# Altium PCB ADAPTONE_PCB_COPY.PcbDoc (part 6 of 11)
Units mil, origin at the board's own origin, x right, y up, seen from the top; angles counter-clockwise.
Board outline 10236.22 x 6701.71 mil, 4 copper layers (Top Layer, GND, Internal Plane 2, Bottom Layer), stack 30.2 mil thick; 1794 components, 935 nets, 4745 pads, 575 vias.
Unrouted connection lines stored in the file: 997.
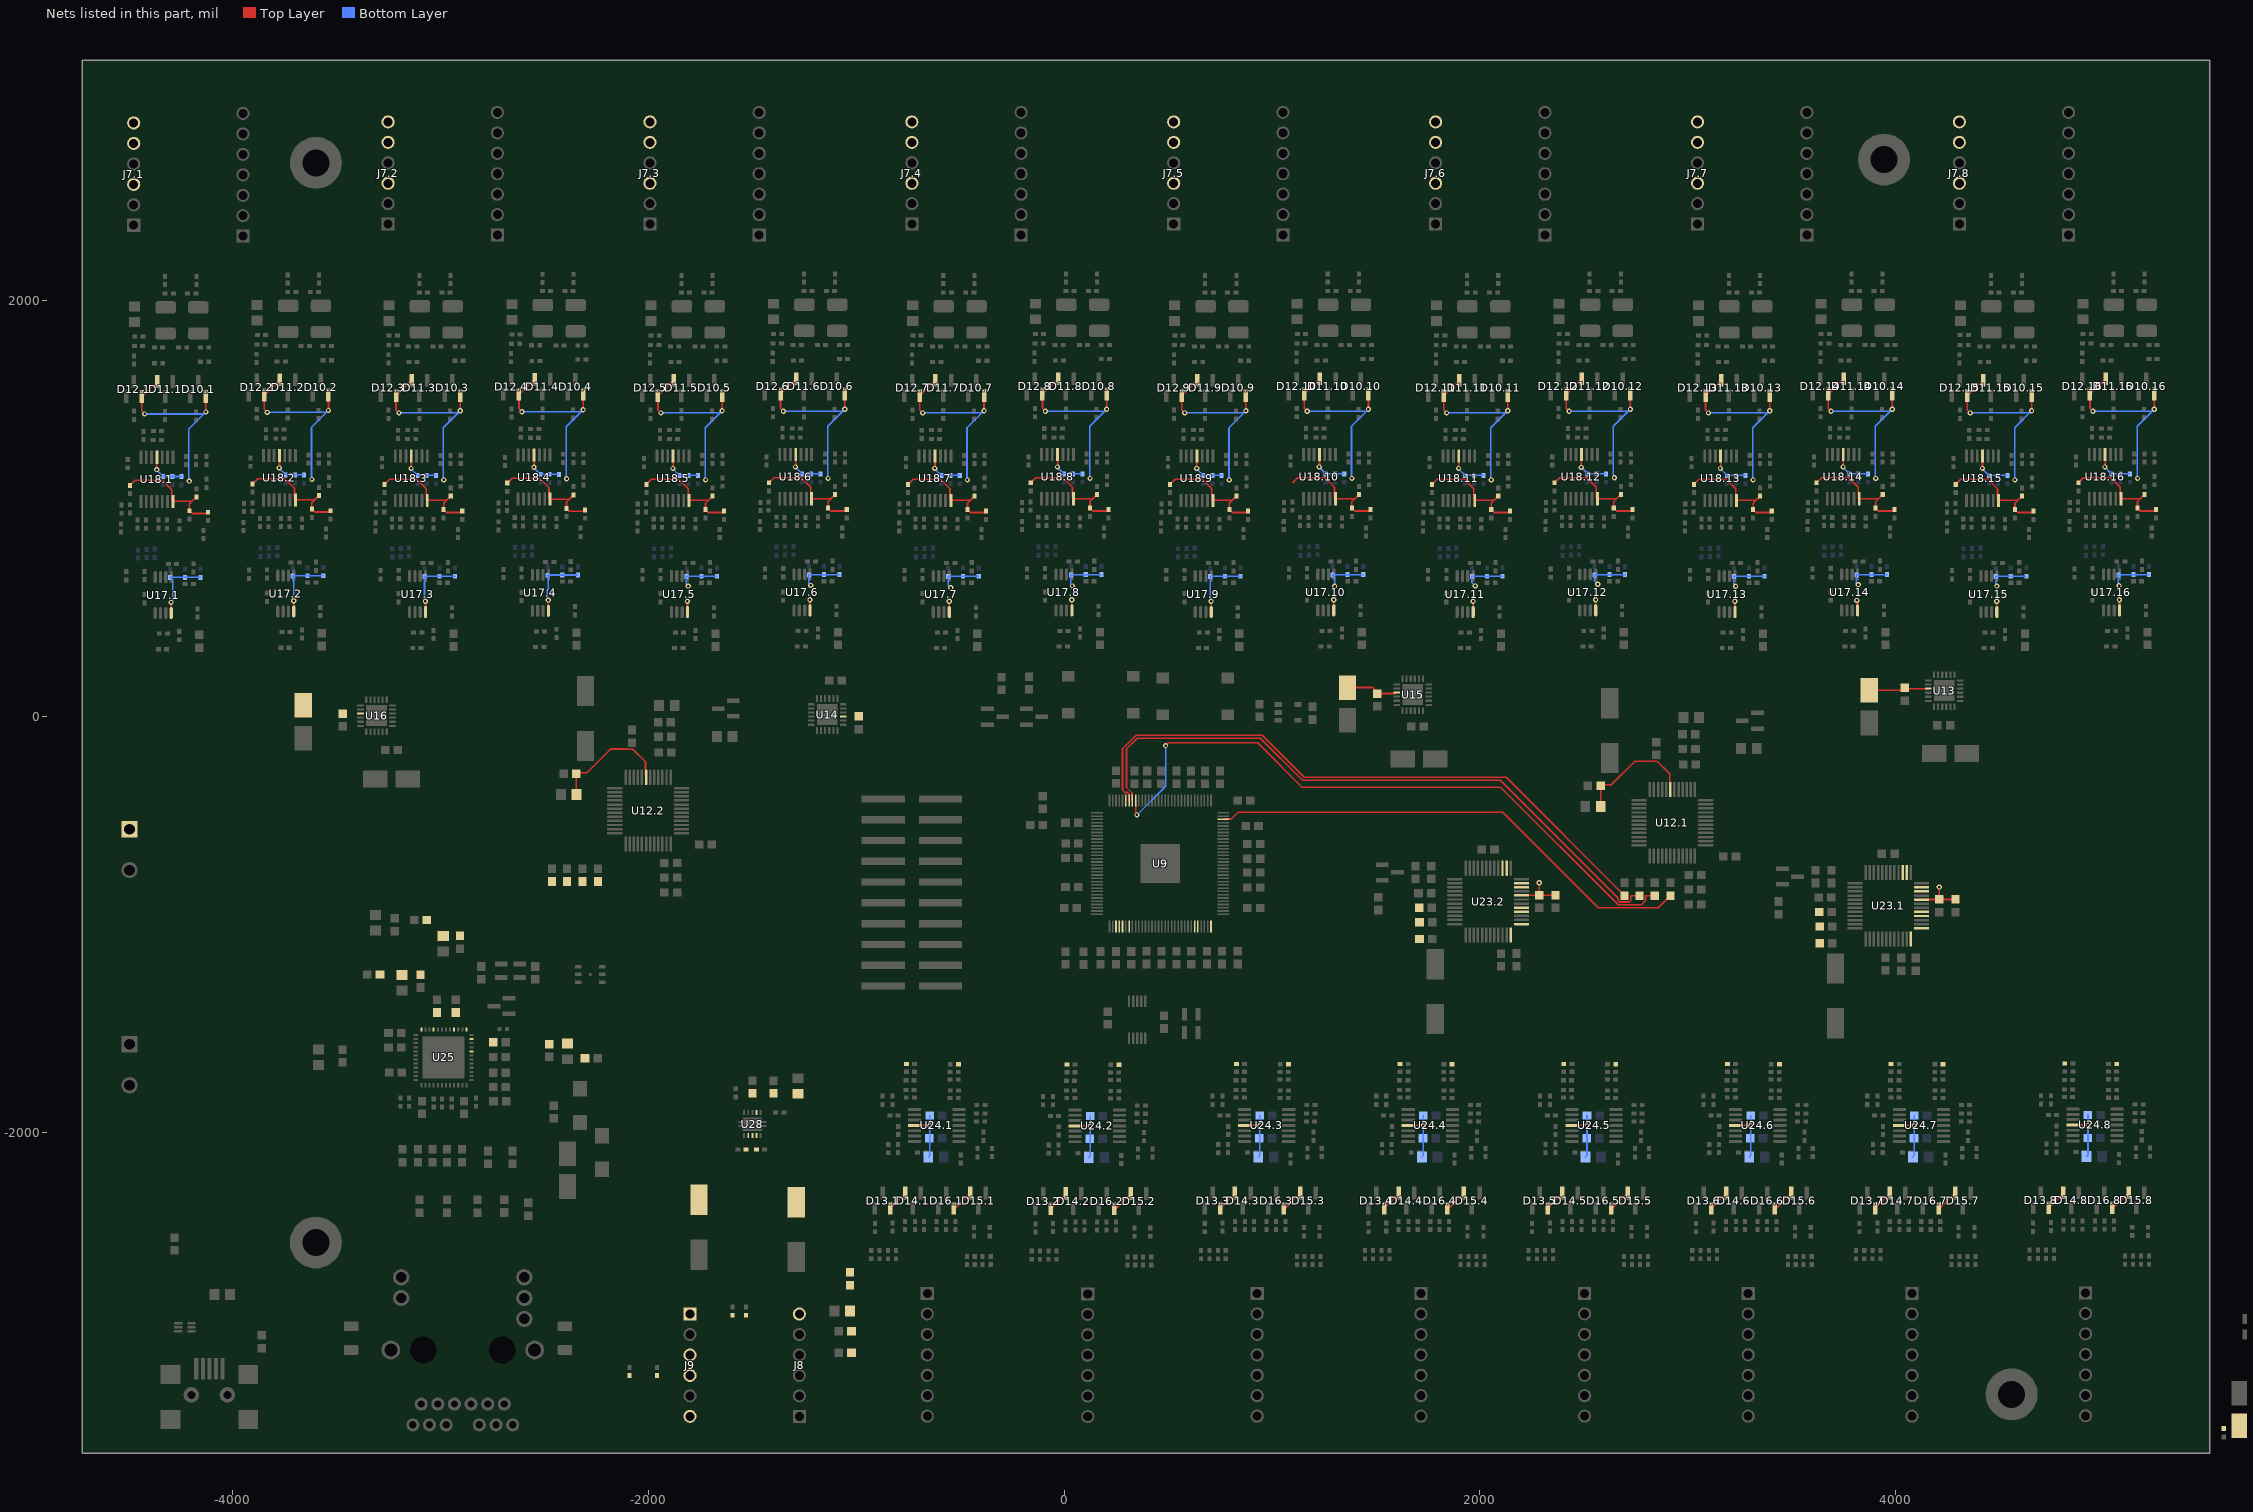
[diagram p8: the nets of this part, all layers, seen from the top]

## Via types
v1: diameter 25, hole 12, Top Layer to Bottom Layer, 566 vias
v2: diameter 19.68, hole 7.87, Top Layer to Bottom Layer, 9 vias

## Nets (pads, with @x,y where several pads share a name; then routed paths per layer and width w, separated by ;. In a path a pad name is that pad's centre, name@x,y a point inside that pad or via, vN(x,y) a via of type N, cw(c..) or ccw(c..) an arc to the next point about the centre after c; other vN are vias at no path point) (continued)
+5VA: C15.+ C17.1 C42.+ C44.+ C46.1 C48.1 C50.+ C52.+ C54.1 C56.1 C59.1.1 C59.2.1 C59.3.1 C59.4.1 C59.5.1 C59.6.1 C59.7.1 C59.8.1 C59.9.1 C59.10.1 C59.11.1 C59.12.1 C59.13.1 C59.14.1 C59.15.1 C59.16.1 C60.1.1 C60.2.1 C60.3.1 C60.4.1 C60.5.1 C60.6.1 C60.7.1 C60.8.1 C60.9.1 C60.10.1 C60.11.1 C60.12.1 C60.13.1 C60.14.1 C60.15.1 C60.16.1 C61.1.1 C61.2.1 C61.3.1 C61.4.1 C61.5.1 C61.6.1 C61.7.1 C61.8.1 C61.9.1 C61.10.1 C61.11.1 C61.12.1 C61.13.1 C61.14.1 C61.15.1 C61.16.1 C68.1.1 C68.2.1 C68.3.1 C68.4.1 C68.5.1 C68.6.1 C68.7.1 C68.8.1 C68.9.1 C68.10.1 C68.11.1 C68.12.1 C68.13.1 C68.14.1 C68.15.1 C68.16.1 C69.1.1 C69.2.1 C69.3.1 C69.4.1 C69.5.1 C69.6.1 C69.7.1 C69.8.1 C69.9.1 C69.10.1 C69.11.1 C69.12.1 C69.13.1 C69.14.1 C69.15.1 C69.16.1 C70.1.1 C70.2.1 C70.3.1 C70.4.1 C70.5.1 C70.6.1 C70.7.1 C70.8.1 C70.9.1 C70.10.1 C70.11.1 C70.12.1 C70.13.1 C70.14.1 C70.15.1 C70.16.1 C121.1.1 C121.2.1 C122.1.1 C122.2.1 C134.1.1 C134.2.1 C134.3.1 C134.4.1 C134.5.1 C134.6.1 C134.7.1 C134.8.1 C135.1.1 C135.2.1 C135.3.1 C135.4.1 C135.5.1 C135.6.1 C135.7.1 C135.8.1 C136.1.2 C136.2.2 C136.3.2 C136.4.2 C136.5.2 C136.6.2 C136.7.2 C136.8.2 C176.1 C177.1 C180.2 D4.K D10.1.2 D10.2.2 D10.3.2 D10.4.2 D10.5.2 D10.6.2 D10.7.2 D10.8.2 D10.9.2 D10.10.2 D10.11.2 D10.12.2 D10.13.2 D10.14.2 D10.15.2 D10.16.2 D11.1.2 D11.2.2 D11.3.2 D11.4.2 D11.5.2 D11.6.2 D11.7.2 D11.8.2 D11.9.2 D11.10.2 D11.11.2 D11.12.2 D11.13.2 D11.14.2 D11.15.2 D11.16.2 D12.1.2 D12.2.2 D12.3.2 D12.4.2 D12.5.2 D12.6.2 D12.7.2 D12.8.2 D12.9.2 D12.10.2 D12.11.2 D12.12.2 D12.13.2 D12.14.2 D12.15.2 D12.16.2 D13.1.2 D13.2.2 D13.3.2 D13.4.2 D13.5.2 D13.6.2 D13.7.2 D13.8.2 D14.1.2 D14.2.2 D14.3.2 D14.4.2 D14.5.2 D14.6.2 D14.7.2 D14.8.2 D15.1.2 D15.2.2 D15.3.2 D15.4.2 D15.5.2 D15.6.2 D15.7.2 D15.8.2 D16.1.2 D16.2.2 D16.3.2 D16.4.2 D16.5.2 D16.6.2 D16.7.2 D16.8.2 R6.2 TP13.1 TP13.2 U4.2 U13.15 U14.15 U15.15 U16.15 U17.1.8 U17.2.8 U17.3.8 U17.4.8 U17.5.8 U17.6.8 U17.7.8 U17.8.8 U17.9.8 U17.10.8 U17.11.8 U17.12.8 U17.13.8 U17.14.8 U17.15.8 U17.16.8 U18.1.4 U18.2.4 U18.3.4 U18.4.4 U18.5.4 U18.6.4 U18.7.4 U18.8.4 U18.9.4 U18.10.4 U18.11.4 U18.12.4 U18.13.4 U18.14.4 U18.15.4 U18.16.4 U23.1.32 U23.2.32 U24.1.4 U24.2.4 U24.3.4 U24.4.4 U24.5.4 U24.6.4 U24.7.4 U24.8.4 U28.2 U28.8 | length 27326.9
  Top Layer w8: v1(-4423.39,1456.03) -4437.44,1470.09 D12.1.2@-4437.44,1539.62 -4435.08,1539.62 D11.1.2@-4362.24,1612.45 ; v1@-4364.55,1189.72 U18.1.4@-4364.55,1247.96 ; U17.1.8@-4295.64,498.1 v1@-4295.64,549.33 ; v1(-4128.75,1465.84) D10.1.2@-4128.75,1539.62 ; v1(-3833.72,1463.51) -3847.77,1477.56 D12.2.2@-3847.77,1547.09 -3845.41,1547.09 D11.2.2@-3772.57,1619.93 ; v1@-3774.88,1197.2 U18.2.4@-3774.88,1255.43 ; U17.2.8@-3705.97,505.58 v1@-3705.97,556.81 ; v1(-3539.08,1473.31) D10.2.2@-3539.08,1547.09 ; v1(-3199.81,1461.17) -3213.86,1475.22 D12.3.2@-3213.86,1544.75 -3211.5,1544.75 D11.3.2@-3138.66,1617.59 ; v1@-3140.97,1194.86 U18.3.4@-3140.97,1253.09 ; U17.3.8@-3072.06,503.24 v1@-3072.06,554.47 ; v1(-2905.17,1470.98) D10.3.2@-2905.17,1544.75 ; v1(-2608.78,1466.76) -2622.83,1480.81 D12.4.2@-2622.83,1550.35 -2620.46,1550.35 D11.4.2@-2547.63,1623.18 ; v1@-2549.94,1200.45 U18.4.4@-2549.94,1258.68 ; U17.4.8@-2481.03,508.83 v1@-2481.03,560.06 ; v1(-2314.14,1476.57) D10.4.2@-2314.14,1550.35 ; v1(-1939.96,1461.17) -1954.02,1475.22 D12.5.2@-1954.02,1544.75 -1951.65,1544.75 D11.5.2@-1878.82,1617.59 ; v1@-1881.13,1194.86 U18.5.4@-1881.13,1253.09 ; U17.5.8@-1812.22,503.24 v1@-1812.22,554.47 ; v1(-1645.33,1470.98) D10.5.2@-1645.33,1544.75 ; v1(-1350.29,1468.65) -1364.34,1482.7 D12.6.2@-1364.34,1552.23 -1361.98,1552.23 D11.6.2@-1289.15,1625.07 ; v1@-1291.46,1202.33 U18.6.4@-1291.46,1260.57 ; U17.6.8@-1222.54,510.72 v1@-1222.54,561.95 ; v1(-1055.66,1478.45) D10.6.2@-1055.66,1552.23 ; D13.1.2@-835.99,-2364.88 -765.48,-2294.37 D14.1.2@-765.48,-2292.04 ; U24.1.4@-719.31,-1966.46 -649.1,-1966.46 v1(-647.1,-1968.46) ; v1(-680.12,1461.17) -694.17,1475.22 D12.7.2@-694.17,1544.75 -691.81,1544.75 D11.7.2@-618.98,1617.59 ; v1@-621.29,1194.86 U18.7.4@-621.29,1253.09 ; U17.7.8@-552.37,503.24 v1@-552.37,554.47 ; D16.1.2@-530.68,-2364.88 -524.09,-2364.88 D15.1.2@-451.25,-2292.04 ; v1(-385.49,1470.98) D10.7.2@-385.49,1544.75 ; v1(-90.45,1468.65) -104.5,1482.7 D12.8.2@-104.5,1552.23 -102.14,1552.23 D11.8.2@-29.3,1625.07 ; D13.2.2@-63.91,-2366.96 6.6,-2296.45 D14.2.2@6.6,-2294.13 ; v1@-31.62,1202.33 U18.8.4@-31.62,1260.57 ; U17.8.8@37.3,510.72 v1@37.3,561.95 ; U24.2.4@52.76,-1968.54 122.98,-1968.54 v1(124.98,-1970.54) ; v1(204.18,1478.45) D10.8.2@204.18,1552.23 ; D16.2.2@241.4,-2366.96 247.99,-2366.96 D15.2.2@320.83,-2294.13 ; v1(579.72,1461.17) 565.67,1475.22 D12.9.2@565.67,1544.75 568.03,1544.75 D11.9.2@640.87,1617.59 ; v1@638.56,1194.86 U18.9.4@638.56,1253.09 ; U17.9.8@707.47,503.24 v1@707.47,554.47 ; D13.3.2@751.26,-2364.88 821.77,-2294.37 D14.3.2@821.77,-2292.04 ; U24.3.4@867.94,-1966.46 938.16,-1966.46 v1(940.16,-1968.46) ; v1(874.35,1470.98) D10.9.2@874.35,1544.75 ; D16.3.2@1056.58,-2364.88 1063.17,-2364.88 D15.3.2@1136,-2292.04 ; v1(1169.39,1468.65) 1155.34,1482.7 D12.10.2@1155.34,1552.23 1157.7,1552.23 D11.10.2@1230.54,1625.07 ; v1@1228.23,1202.33 U18.10.4@1228.23,1260.57 ; U17.10.8@1297.14,510.72 v1@1297.14,561.95 ; C50.+@1363,139.74 1483.77,139.74 1517,106.51 1517,111.28 1595.46,111.28 U15.15@1600.03,115.84 ; v1(1464.03,1478.45) D10.10.2@1464.03,1552.23 ; D13.4.2@1538.66,-2364.88 1609.18,-2294.37 D14.4.2@1609.18,-2292.04 ; U24.4.4@1655.34,-1966.46 1725.56,-1966.46 v1(1727.56,-1968.46) ; v1(1839.56,1461.17) 1825.51,1475.22 D12.11.2@1825.51,1544.75 1827.87,1544.75 D11.11.2@1900.71,1617.59 ; D16.4.2@1843.98,-2364.88 1850.57,-2364.88 D15.4.2@1923.4,-2292.04 ; v1@1898.4,1194.86 U18.11.4@1898.4,1253.09 ; U17.11.8@1967.31,503.24 v1@1967.31,554.47 ; v1(2134.2,1470.98) D10.11.2@2134.2,1544.75 ; U23.2.32@2200.16,-860.01 2201.15,-859.02 C121.2.1@2285.2,-859.02 ; v1(2285.2,-799.54) C121.2.1@2285.2,-859.02 ; D13.5.2@2326.07,-2364.88 2396.58,-2294.37 D14.5.2@2396.58,-2292.04 ; C122.2.1@2362.93,-859.02 C121.2.1@2285.2,-859.02 ; v1(2429.24,1468.65) 2415.18,1482.7 D12.12.2@2415.18,1552.23 2417.55,1552.23 D11.12.2@2490.38,1625.07 ; U24.5.4@2442.74,-1966.46 2512.96,-1966.46 v1(2514.96,-1968.46) ; v1(2487.07,1199.02) 2487.07,1259.57 U18.12.4@2488.07,1260.57 ; U17.12.8@2556.98,510.72 v1@2556.98,561.95 ; D16.5.2@2631.38,-2364.88 2637.97,-2364.88 D15.5.2@2710.81,-2292.04 ; v1(2723.87,1478.45) D10.12.2@2723.87,1552.23 ; v1(3099.41,1461.17) 3085.35,1475.22 D12.13.2@3085.35,1544.75 3087.72,1544.75 D11.13.2@3160.55,1617.59 ; D13.6.2@3113.47,-2364.88 3183.98,-2294.37 D14.6.2@3183.98,-2292.04 ; v1@3158.24,1194.86 U18.13.4@3158.24,1253.09 ; U17.13.8@3227.15,503.24 v1@3227.15,554.47 ; U24.6.4@3230.14,-1966.46 3300.36,-1966.46 v1(3302.36,-1968.46) ; v1(3394.04,1470.98) D10.13.2@3394.04,1544.75 ; D16.6.2@3418.78,-2364.88 3425.37,-2364.88 D15.6.2@3498.21,-2292.04 ; v1(3689.08,1468.65) 3675.03,1482.7 D12.14.2@3675.03,1552.23 3677.39,1552.23 D11.14.2@3750.22,1625.07 ; v1@3747.91,1202.33 U18.14.4@3747.91,1260.57 ; U17.14.8@3816.83,510.72 v1@3816.83,561.95 ; C42.+@3873.34,126.74 4031.81,126.74 C46.1@4043.34,138.27 4046.79,134.81 U13.15@4156.83,134.81 ; D13.7.2@3900.87,-2364.88 3971.38,-2294.37 D14.7.2@3971.38,-2292.04 ; v1(3983.71,1478.45) D10.14.2@3983.71,1552.23 ; U24.7.4@4017.55,-1966.46 4087.76,-1966.46 v1(4089.76,-1968.46) ; U23.1.32@4124.96,-880.47 4125.94,-879.49 C121.1.1@4210,-879.49 ; D16.7.2@4206.18,-2364.88 4212.77,-2364.88 D15.7.2@4285.61,-2292.04 ; v1(4210,-820) C121.1.1@4210,-879.49 ; C122.1.1@4287.72,-879.49 C121.1.1@4210,-879.49 ; v1(4359.25,1461.17) 4345.2,1475.22 D12.15.2@4345.2,1544.75 4347.56,1544.75 D11.15.2@4420.39,1617.59 ; v1@4418.08,1194.86 U18.15.4@4418.08,1253.09 ; U17.15.8@4487,503.24 v1@4487,554.47 ; v1(4653.88,1470.98) D10.15.2@4653.88,1544.75 ; D13.8.2@4736.09,-2362.8 4806.6,-2292.28 D14.8.2@4806.6,-2289.96 ; U24.8.4@4852.76,-1964.38 4922.98,-1964.38 v1(4924.98,-1966.38) ; v1(4948.92,1468.65) 4934.87,1482.7 D12.16.2@4934.87,1552.23 4937.23,1552.23 D11.16.2@5010.07,1625.07 ; v1@5007.75,1202.33 U18.16.4@5007.75,1260.57 ; D16.8.2@5041.4,-2362.8 5047.99,-2362.8 D15.8.2@5120.83,-2289.96 ; U17.16.8@5076.67,510.72 v1@5076.67,561.95 ; v1(5243.55,1478.45) D10.16.2@5243.55,1552.23
  Bottom Layer w8: v1(-4423.39,1456.03) -4138.56,1456.03 v1(-4128.75,1465.84) -4210.44,1384.15 -4210.44,1131.31 -4208.55,1133.2 v1(-4208.55,1133.32) ; v1@-4365.55,1186.4 C61.1.1@-4334.55,1155.4 C60.1.1@-4290.55,1155.4 C59.1.1@-4247.55,1155.4 ; v1@-4295.64,549.33 -4289,555.97 -4289,657.29 C70.1.1@-4301,669.29 -4300.06,670.23 C68.1.1@-4229,670.23 C69.1.1@-4154,670.23 ; v1(-3833.72,1463.51) -3548.89,1463.51 v1(-3539.08,1473.31) -3620.77,1391.63 -3620.77,1138.79 -3618.88,1140.68 v1(-3618.88,1140.79) ; v1@-3775.88,1193.88 C61.2.1@-3744.88,1162.88 C60.2.1@-3700.88,1162.88 C59.2.1@-3657.88,1162.88 ; v1@-3711.88,556.81 -3706.88,585.66 -3706.88,645.36 -3711.88,676.21 C70.2.1@-3711.33,676.77 -3710.39,677.7 C68.2.1@-3639.33,677.7 C69.2.1@-3564.33,677.7 ; v1(-3199.81,1461.17) -2914.98,1461.17 v1(-2905.17,1470.98) -2986.86,1389.29 -2986.86,1136.45 -2984.97,1138.34 v1(-2984.97,1138.46) ; v1@-3141.97,1191.54 C61.3.1@-3110.97,1160.54 C60.3.1@-3066.97,1160.54 C59.3.1@-3023.97,1160.54 ; v1@-3072.06,554.47 -3077.42,559.83 C70.3.1@-3077.42,674.43 -3076.48,675.36 C68.3.1@-3005.42,675.36 C69.3.1@-2930.42,675.36 ; v1(-2608.78,1466.76) -2323.94,1466.76 v1(-2314.14,1476.57) -2395.83,1394.88 -2395.83,1142.04 -2393.94,1143.93 v1(-2393.94,1144.05) ; v1@-2550.94,1197.13 C61.4.1@-2519.94,1166.13 C60.4.1@-2475.94,1166.13 C59.4.1@-2432.94,1166.13 ; v1@-2481.03,560.06 -2486.39,565.42 -2486.39,609.48 -2482.5,613.36 -2482.5,676.13 C70.4.1@-2486.39,680.02 -2485.45,680.96 C68.4.1@-2414.39,680.96 C69.4.1@-2339.39,680.96 ; v1(-1939.96,1461.17) -1655.13,1461.17 v1(-1645.33,1470.98) -1727.02,1389.29 -1727.02,1136.45 -1725.13,1138.34 v1(-1725.13,1138.46) ; v1@-1882.13,1191.54 C61.5.1@-1851.13,1160.54 C60.5.1@-1807.13,1160.54 C59.5.1@-1764.13,1160.54 ; v1(-1808,627.82) -1818.13,637.95 -1818.13,673.87 C70.5.1@-1817.58,674.43 -1816.64,675.36 C68.5.1@-1745.58,675.36 C69.5.1@-1670.58,675.36 ; v1(-1350.29,1468.65) -1065.46,1468.65 v1(-1055.66,1478.45) -1137.35,1396.76 -1137.35,1143.92 -1135.46,1145.81 v1(-1135.46,1145.93) ; v1@-1292.46,1199.02 C61.6.1@-1261.46,1168.02 C60.6.1@-1217.46,1168.02 C59.6.1@-1174.46,1168.02 ; v1(-1219,631) -1227.9,639.9 C70.6.1@-1227.9,681.9 -1226.97,682.84 C68.6.1@-1155.9,682.84 C69.6.1@-1080.9,682.84 ; v1(-680.12,1461.17) -395.29,1461.17 v1(-385.49,1470.98) -467.18,1389.29 -467.18,1136.45 -465.29,1138.34 v1(-465.29,1138.46) ; C134.1.1@-653.99,-2118.46 -647.1,-2111.57 v1(-647.1,-1968.46) C136.1.2@-647.1,-1918.46 ; v1@-622.29,1191.54 C61.7.1@-591.29,1160.54 C60.7.1@-547.29,1160.54 C59.7.1@-504.29,1160.54 ; v1(-546,621) -558.29,633.29 -558.29,673.87 C70.7.1@-557.73,674.43 -556.8,675.36 C68.7.1@-485.73,675.36 C69.7.1@-410.73,675.36 ; v1(-90.45,1468.65) 194.38,1468.65 v1(204.18,1478.45) 122.5,1396.76 122.5,1143.92 124.38,1145.81 v1(124.38,1145.93) ; v1@-32.62,1199.02 C61.8.1@-1.62,1168.02 C60.8.1@42.38,1168.02 C59.8.1@85.38,1168.02 ; v1(40,629) 31.38,637.62 31.38,681.35 C70.8.1@31.94,681.9 32.88,682.84 C68.8.1@103.94,682.84 C69.8.1@178.94,682.84 ; C134.2.1@118.09,-2120.54 124.98,-2113.65 v1(124.98,-1970.54) C136.2.2@124.98,-1920.54 ; v1(579.72,1461.17) 864.55,1461.17 v1(874.35,1470.98) 792.67,1389.29 792.67,1136.45 794.56,1138.34 v1(794.56,1138.46) ; v1@637.56,1191.54 C61.9.1@668.56,1160.54 C60.9.1@712.56,1160.54 C59.9.1@755.56,1160.54 ; v1(707.08,554.86) 702.11,559.83 C70.9.1@702.11,674.43 703.05,675.36 C68.9.1@774.11,675.36 C69.9.1@849.11,675.36 ; C134.3.1@933.27,-2118.46 940.16,-2111.57 v1(940.16,-1968.46) C136.3.2@940.16,-1918.46 ; v1(1169.39,1468.65) 1454.22,1468.65 v1(1464.03,1478.45) 1382.34,1396.76 1382.34,1143.92 1384.23,1145.81 v1(1384.23,1145.93) ; v1@1227.23,1199.02 C61.10.1@1258.23,1168.02 C60.10.1@1302.23,1168.02 C59.10.1@1345.23,1168.02 ; v1(1301,627) 1301,668.06 1295,674.06 1296.76,675.82 1291.23,681.35 C70.10.1@1291.78,681.9 1292.72,682.84 C68.10.1@1363.78,682.84 C69.10.1@1438.78,682.84 ; C134.4.1@1720.67,-2118.46 1727.56,-2111.57 v1(1727.56,-1968.46) C136.4.2@1727.56,-1918.46 ; v1(1839.56,1461.17) 2124.39,1461.17 v1(2134.2,1470.98) 2052.51,1389.29 2052.51,1136.45 2054.4,1138.34 v1(2054.4,1138.46) ; v1@1897.4,1191.54 C61.11.1@1928.4,1160.54 C60.11.1@1972.4,1160.54 C59.11.1@2015.4,1160.54 ; v1(1978,629) 1961.4,645.6 1961.4,673.87 C70.11.1@1961.95,674.43 1962.89,675.36 C68.11.1@2033.95,675.36 C69.11.1@2108.95,675.36 ; v1(2429.24,1468.65) 2714.07,1468.65 v1(2723.87,1478.45) 2642.18,1396.76 2642.18,1143.92 v1(2647,1148.74) ; v1(2487.07,1199.02) C61.12.1@2518.07,1168.02 C60.12.1@2562.07,1168.02 C59.12.1@2605.07,1168.02 ; C134.5.1@2508.07,-2118.46 2514.96,-2111.57 v1(2514.96,-1968.46) C136.5.2@2514.96,-1918.46 ; v1(2567,637) 2567,638 2551.07,653.93 2551.07,681.35 C70.12.1@2551.62,681.9 2552.56,682.84 C68.12.1@2623.62,682.84 C69.12.1@2698.62,682.84 ; v1(3099.41,1461.17) 3384.24,1461.17 v1(3394.04,1470.98) 3312.35,1389.29 3312.35,1136.45 3314.24,1138.34 v1(3314.24,1138.46) ; v1@3157.24,1191.54 C61.13.1@3188.24,1160.54 C60.13.1@3232.24,1160.54 C59.13.1@3275.24,1160.54 ; v1(3230.1,627) 3221.24,635.86 3221.24,673.87 C70.13.1@3221.79,674.43 3222.73,675.36 C68.13.1@3293.79,675.36 C69.13.1@3368.79,675.36 ; C134.6.1@3295.47,-2118.46 3302.36,-2111.57 v1(3302.36,-1968.46) C136.6.2@3302.36,-1918.46 ; v1(3689.08,1468.65) 3973.91,1468.65 v1(3983.71,1478.45) 3902.02,1396.76 3902.02,1143.92 3903.91,1145.81 v1(3903.91,1145.93) ; v1@3746.91,1199.02 C61.14.1@3777.91,1168.02 C60.14.1@3821.91,1168.02 C59.14.1@3864.91,1168.02 ; v1(3819.98,635.3) 3810.91,644.37 3810.91,681.35 C70.14.1@3811.47,681.9 3812.4,682.84 C68.14.1@3883.47,682.84 C69.14.1@3958.47,682.84 ; C134.7.1@4082.87,-2118.46 4089.76,-2111.57 v1(4089.76,-1968.46) C136.7.2@4089.76,-1918.46 ; v1(4359.25,1461.17) 4644.08,1461.17 v1(4653.88,1470.98) 4572.19,1389.29 4572.19,1136.45 4574.08,1138.34 v1(4574.08,1138.46) ; v1@4417.08,1191.54 C61.15.1@4448.08,1160.54 C60.15.1@4492.08,1160.54 C59.15.1@4535.08,1160.54 ; v1(4487.49,628) 4481.08,634.4 4481.08,673.87 C70.15.1@4481.64,674.43 4482.57,675.36 C68.15.1@4553.64,675.36 C69.15.1@4628.64,675.36 ; C134.8.1@4918.09,-2116.38 4924.98,-2109.49 v1(4924.98,-1966.38) C136.8.2@4924.98,-1916.38 ; v1(4948.92,1468.65) 5233.75,1468.65 v1(5243.55,1478.45) 5161.87,1396.76 5161.87,1143.92 5163.75,1145.81 v1(5163.75,1145.93) ; v1@5006.75,1199.02 C61.16.1@5037.75,1168.02 C60.16.1@5081.75,1168.02 C59.16.1@5124.75,1168.02 ; v1(5075,630) 5070.75,634.25 5070.75,681.35 C70.16.1@5071.31,681.9 5072.25,682.84 C68.16.1@5143.31,682.84 C69.16.1@5218.31,682.84
  other v1: -4296.03,549.72 -3072.44,554.86 -1812.6,554.86 -552.76,554.86 1966.93,554.86 3226.77,554.86 4486.61,554.86 -3706.35,557.2 3812.94,558.83 -2481.41,560.45 -1222.93,562.33 36.91,562.33 1296.76,562.33 2556.6,562.33 5076.28,562.33 -4365.55,1188.72 -3141.97,1193.86 -1882.13,1193.86 -622.29,1193.86 637.56,1193.86 1897.4,1193.86 3157.24,1193.86 4417.08,1193.86 -3775.88,1196.2 -2550.94,1199.45 -1292.46,1201.33 -32.62,1201.33 1227.23,1201.33 3746.91,1201.33 5006.75,1201.33
+12V: L10.1
+12V0: C7.+ C8.+ C9.+ C20.1 C90.+ C91.+ D1.2 J1.1 J7.1.5 J7.1.6 J7.2.5 J7.2.6 J7.3.5 J7.3.6 J7.4.5 J7.4.6 J7.5.5 J7.5.6 J7.6.5 J7.6.6 J7.7.5 J7.7.6 J7.8.5 J7.8.6 L2.1 R5.2 R11.2 R66.2 U3.2 U8.3 U20.2
+12VLED: C178.1 C179.1 C181.2 J8.6 L10.2
+48V0: C18.+ D5.A D7.K J7.1.3 J7.2.3 J7.3.3 J7.4.3 J7.5.3 J7.6.3 J7.7.3 J7.8.3 R10.1 TP14.1 TP14.2 U7.2
+49V2: TP17.1 TP17.2
+54V0: C21.1 C22.2 D5.K D6.2 R12.1 U7.3
-V1.1: C79.1.2 R52.1.1 R63.1.1 R64.1.2 U18.1.14 | length 557.5
  Top Layer w8: R64.1.2@-4493.55,1112.4 -4469.24,1136.72 -4338.55,1136.72 -4292.48,1090.65 -4292.48,1040.06 U18.1.14@-4287.78,1035.36 -4195.23,1035.36 ; R63.1.1@-4174.55,1056.03 -4195.23,1035.36 ; C79.1.2@-4119,983.11 -4125.27,976.84 -4194.99,976.84 R52.1.1@-4208.55,990.4 -4208.55,1022.03 -4195.23,1035.36
-V1.2: C79.2.2 R52.2.1 R63.2.1 R64.2.2 U18.2.14 | length 557.5
  Top Layer w8: R64.2.2@-3903.88,1119.88 -3879.57,1144.2 -3748.88,1144.2 -3702.81,1098.12 -3702.81,1047.53 U18.2.14@-3698.11,1042.83 -3605.56,1042.83 ; R63.2.1@-3584.88,1063.51 -3605.56,1042.83 ; C79.2.2@-3529.33,990.59 -3535.6,984.32 -3605.32,984.32 R52.2.1@-3618.88,997.88 -3618.88,1029.51 -3605.56,1042.83
-V1.3: C79.3.2 R52.3.1 R63.3.1 R64.3.2 U18.3.14 | length 557.5
  Top Layer w8: R64.3.2@-3269.97,1117.54 -3245.66,1141.86 -3114.97,1141.86 -3068.9,1095.79 -3068.9,1045.2 U18.3.14@-3064.2,1040.49 -2971.65,1040.49 ; R63.3.1@-2950.97,1061.17 -2971.65,1040.49 ; C79.3.2@-2895.42,988.25 -2901.69,981.98 -2971.41,981.98 R52.3.1@-2984.97,995.54 -2984.97,1027.17 -2971.65,1040.49
-V1.4: C79.4.2 R52.4.1 R63.4.1 R64.4.2 U18.4.14 | length 557.5
  Top Layer w8: R64.4.2@-2678.94,1123.13 -2654.63,1147.45 -2523.94,1147.45 -2477.87,1101.38 -2477.87,1050.79 U18.4.14@-2473.17,1046.08 -2380.62,1046.08 ; R63.4.1@-2359.94,1066.76 -2380.62,1046.08 ; C79.4.2@-2304.39,993.84 -2310.66,987.57 -2380.38,987.57 R52.4.1@-2393.94,1001.13 -2393.94,1032.76 -2380.62,1046.08
-V1.5: C79.5.2 R52.5.1 R63.5.1 R64.5.2 U18.5.14 | length 557.5
  Top Layer w8: R64.5.2@-2010.13,1117.54 -1985.82,1141.86 -1855.13,1141.86 -1809.06,1095.79 -1809.06,1045.2 U18.5.14@-1804.36,1040.49 -1711.81,1040.49 ; R63.5.1@-1691.13,1061.17 -1711.81,1040.49 ; C79.5.2@-1635.58,988.25 -1641.84,981.98 -1711.57,981.98 R52.5.1@-1725.13,995.54 -1725.13,1027.17 -1711.81,1040.49
-V1.6: C79.6.2 R52.6.1 R63.6.1 R64.6.2 U18.6.14 | length 557.5
  Top Layer w8: R64.6.2@-1420.46,1125.02 -1396.14,1149.33 -1265.46,1149.33 -1219.39,1103.26 -1219.39,1052.67 U18.6.14@-1214.69,1047.97 -1122.14,1047.97 ; R63.6.1@-1101.46,1068.65 -1122.14,1047.97 ; C79.6.2@-1045.9,995.73 -1052.17,989.46 -1121.9,989.46 R52.6.1@-1135.46,1003.02 -1135.46,1034.65 -1122.14,1047.97
-V1.7: C79.7.2 R52.7.1 R63.7.1 R64.7.2 U18.7.14 | length 557.5
  Top Layer w8: R64.7.2@-750.29,1117.54 -725.97,1141.86 -595.29,1141.86 -549.22,1095.79 -549.22,1045.2 U18.7.14@-544.52,1040.49 -451.96,1040.49 ; R63.7.1@-431.29,1061.17 -451.96,1040.49 ; C79.7.2@-375.73,988.25 -382,981.98 -451.73,981.98 R52.7.1@-465.29,995.54 -465.29,1027.17 -451.96,1040.49
-V1.8: C79.8.2 R52.8.1 R63.8.1 R64.8.2 U18.8.14 | length 557.5
  Top Layer w8: R64.8.2@-160.62,1125.02 -136.3,1149.33 -5.62,1149.33 40.46,1103.26 40.46,1052.67 U18.8.14@45.16,1047.97 137.71,1047.97 ; R63.8.1@158.38,1068.65 137.71,1047.97 ; C79.8.2@213.94,995.73 207.67,989.46 137.94,989.46 R52.8.1@124.38,1003.02 124.38,1034.65 137.71,1047.97
-V1.9: C79.9.2 R52.9.1 R63.9.1 R64.9.2 U18.9.14 | length 557.5
  Top Layer w8: R64.9.2@509.56,1117.54 533.87,1141.86 664.56,1141.86 710.63,1095.79 710.63,1045.2 U18.9.14@715.33,1040.49 807.88,1040.49 ; R63.9.1@828.56,1061.17 807.88,1040.49 ; C79.9.2@884.11,988.25 877.84,981.98 808.11,981.98 R52.9.1@794.56,995.54 794.56,1027.17 807.88,1040.49
-V1.10: C79.10.2 R52.10.1 R63.10.1 R64.10.2 U18.10.14 | length 557.5
  Top Layer w8: 1099.23,1125.02 1123.54,1149.33 1254.23,1149.33 1300.3,1103.26 1300.3,1052.67 U18.10.14@1305,1047.97 1397.55,1047.97 ; R63.10.1@1418.23,1068.65 1397.55,1047.97 ; C79.10.2@1473.78,995.73 1467.51,989.46 1397.79,989.46 R52.10.1@1384.23,1003.02 1384.23,1034.65 1397.55,1047.97
-V1.11: C79.11.2 R52.11.1 R63.11.1 R64.11.2 U18.11.14 | length 557.5
  Top Layer w8: R64.11.2@1769.4,1117.54 1793.71,1141.86 1924.4,1141.86 1970.47,1095.79 1970.47,1045.2 U18.11.14@1975.17,1040.49 2067.72,1040.49 ; R63.11.1@2088.4,1061.17 2067.72,1040.49 ; C79.11.2@2143.95,988.25 2137.68,981.98 2067.96,981.98 R52.11.1@2054.4,995.54 2054.4,1027.17 2067.72,1040.49
-V1.12: C79.12.2 R52.12.1 R63.12.1 R64.12.2 U18.12.14 | length 557.5
  Top Layer w8: R64.12.2@2359.07,1125.02 2383.38,1149.33 2514.07,1149.33 2560.14,1103.26 2560.14,1052.67 U18.12.14@2564.84,1047.97 2657.39,1047.97 ; R63.12.1@2678.07,1068.65 2657.39,1047.97 ; C79.12.2@2733.62,995.73 2727.36,989.46 2657.63,989.46 R52.12.1@2644.07,1003.02 2644.07,1034.65 2657.39,1047.97
-V1.13: C79.13.2 R52.13.1 R63.13.1 R64.13.2 U18.13.14 | length 557.5
  Top Layer w8: R64.13.2@3029.24,1117.54 3053.55,1141.86 3184.24,1141.86 3230.31,1095.79 3230.31,1045.2 U18.13.14@3235.01,1040.49 3327.56,1040.49 ; R63.13.1@3348.24,1061.17 3327.56,1040.49 ; C79.13.2@3403.79,988.25 3397.53,981.98 3327.8,981.98 R52.13.1@3314.24,995.54 3314.24,1027.17 3327.56,1040.49
-V1.14: C79.14.2 R52.14.1 R63.14.1 R64.14.2 U18.14.14 | length 557.5
  Top Layer w8: R64.14.2@3618.91,1125.02 3643.23,1149.33 3773.91,1149.33 3819.98,1103.26 3819.98,1052.67 U18.14.14@3824.68,1047.97 3917.23,1047.97 ; R63.14.1@3937.91,1068.65 3917.23,1047.97 ; C79.14.2@3993.47,995.73 3987.2,989.46 3917.47,989.46 R52.14.1@3903.91,1003.02 3903.91,1034.65 3917.23,1047.97
-V1.15: C79.15.2 R52.15.1 R63.15.1 R64.15.2 U18.15.14 | length 557.5
  Top Layer w8: R64.15.2@4289.08,1117.54 4313.4,1141.86 4444.08,1141.86 4490.15,1095.79 4490.15,1045.2 U18.15.14@4494.85,1040.49 4587.41,1040.49 ; R63.15.1@4608.08,1061.17 4587.41,1040.49 ; C79.15.2@4663.64,988.25 4657.37,981.98 4587.64,981.98 R52.15.1@4574.08,995.54 4574.08,1027.17 4587.41,1040.49
-V1.16: C79.16.2 R52.16.1 R63.16.1 R64.16.2 U18.16.14 | length 557.5
  Top Layer w8: R64.16.2@4878.75,1125.02 4903.07,1149.33 5033.75,1149.33 5079.83,1103.26 5079.83,1052.67 U18.16.14@5084.53,1047.97 5177.08,1047.97 ; R63.16.1@5197.75,1068.65 5177.08,1047.97 ; C79.16.2@5253.31,995.73 5247.04,989.46 5177.31,989.46 R52.16.1@5163.75,1003.02 5163.75,1034.65 5177.08,1047.97
A1: J9.1 R130.1 R131.1
A2: J9.4 R133.1 R134.1
ADC1_SDOUT1: R30.1.2 U9.88 | length 3177.9
  Top Layer w8: U9.88@343.83,-403.85 343.83,-466.83 v1(350,-473) ; v1(488,-139) 501.49,-125.51 930.51,-125.51 1144.38,-339.38 2099.3,-339.38 2665.61,-905.69 2777.04,-905.69 2796.9,-885.84 2796.9,-861.02 R30.1.2@2841.26,-861.02
  Bottom Layer w8: v1(350,-473) 488,-335 v1(488,-139)
ADC1_SDOUT2: R31.1.2 U9.89 | length 3109.5
  Top Layer w8: U9.89@328.14,-403.85 326.33,-402.04 326.33,-367.11 300,-340.78 300,-155.09 351.09,-104 944,-104 1140,-300 1143.21,-300 1149.17,-305.96 2097.96,-305.96 2665.55,-873.55 2665.55,-885.84 2671.41,-891.69 2719.07,-891.69 2724.92,-885.84 2724.92,-861.02 R31.1.2@2767.22,-861.02
ADC1_SDOUT3: R32.1.2 U9.62 | length 2375.8
  Top Layer w8: U9.62@770,-496.21 773.62,-492.59 803.69,-492.59 836.28,-460 2110,-460 2569.69,-919.69 2857.44,-919.69 R32.1.2@2916.11,-861.02
ADC1_SDOUT4: R33.1.2 U9.90 | length 3035.1
  Top Layer w8: U9.90@310.58,-410 310.58,-371.16 304.72,-365.31 293.03,-365.31 280.9,-353.18 280.9,-154.39 345.29,-90 953.01,-90 1154.97,-291.96 2126.18,-291.96 R33.1.2@2695.24,-861.02
ADC1_VQ: C37.1.1 C38.1.1 U12.1.7 | length 570
  Top Layer w8: C37.1.1@2580.56,-421.8 C38.1.1@2580.56,-332.49 ; C38.1.1@2581,-328 2632,-328 2745.94,-214.06 2824,-214.06 2824.13,-214.18 2852.18,-214.18 2913.33,-275.33 2913.33,-347.18 U12.1.7@2916.11,-349.96
ADC2_SDOUT1: R30.2.2 U9.4
ADC2_SDOUT2: R31.2.2 U9.5
ADC2_SDOUT3: R32.2.2 U9.3
ADC2_SDOUT4: R33.2.2 U9.7
ADC2_VQ: C37.2.1 C38.2.1 U12.2.7 | length 570
  Top Layer w8: C37.2.1@-2346.86,-363.8 C38.2.1@-2346.86,-274.49 ; C38.2.1@-2346.42,-270 -2295.42,-270 -2181.48,-156.06 -2103.42,-156.06 -2103.29,-156.18 -2075.24,-156.18 -2014.09,-217.33 -2014.09,-289.18 U12.2.7@-2011.31,-291.96
AOUT1: C138.8.1 U23.1.39
AOUT2: C145.8.1 U23.1.38
AOUT3: C138.7.1 U23.1.35
AOUT4: C145.7.1 U23.1.34
AOUT5: C138.6.1 U23.1.29
AOUT6: C145.6.1 U23.1.28
AOUT7: C138.5.1 U23.1.25
AOUT8: C145.5.1 U23.1.24
AOUT9: C138.4.1 U23.2.39
AOUT10: C145.4.1 U23.2.38
AOUT11: C138.3.1 U23.2.35
AOUT12: C145.3.1 U23.2.34
AOUT13: C138.2.1 U23.2.29
AOUT14: C145.2.1 U23.2.28
AOUT15: C138.1.1 U23.2.25
AOUT16: C145.1.1 U23.2.24
AVDDH: C163.1 C164.1 C170.2 L8.2 U25.1 U25.12 U25.47
AVDDL: C167.1 C168.1 C175.2 L9.2 U25.4 U25.9
AVDDL_PLL: C161.1 C162.1 C169.2 L7.2 U25.44
B1: C182.2 C183.+ J9.3 U28.9
B2: C184.2 C185.+ J9.6 U28.7
BCLK: R79.1.1 R79.2.1 U9.27
DAC1_SDIN1_TDM: R80.1.1 U9.28
DAC2_SDIN1_TDM: R80.2.1 U9.32
FSYNC: R78.1.1 R78.2.1 U9.91